# Altium PCB WX0.000.863拼板.PcbDoc (part 11 of 15) (continued)
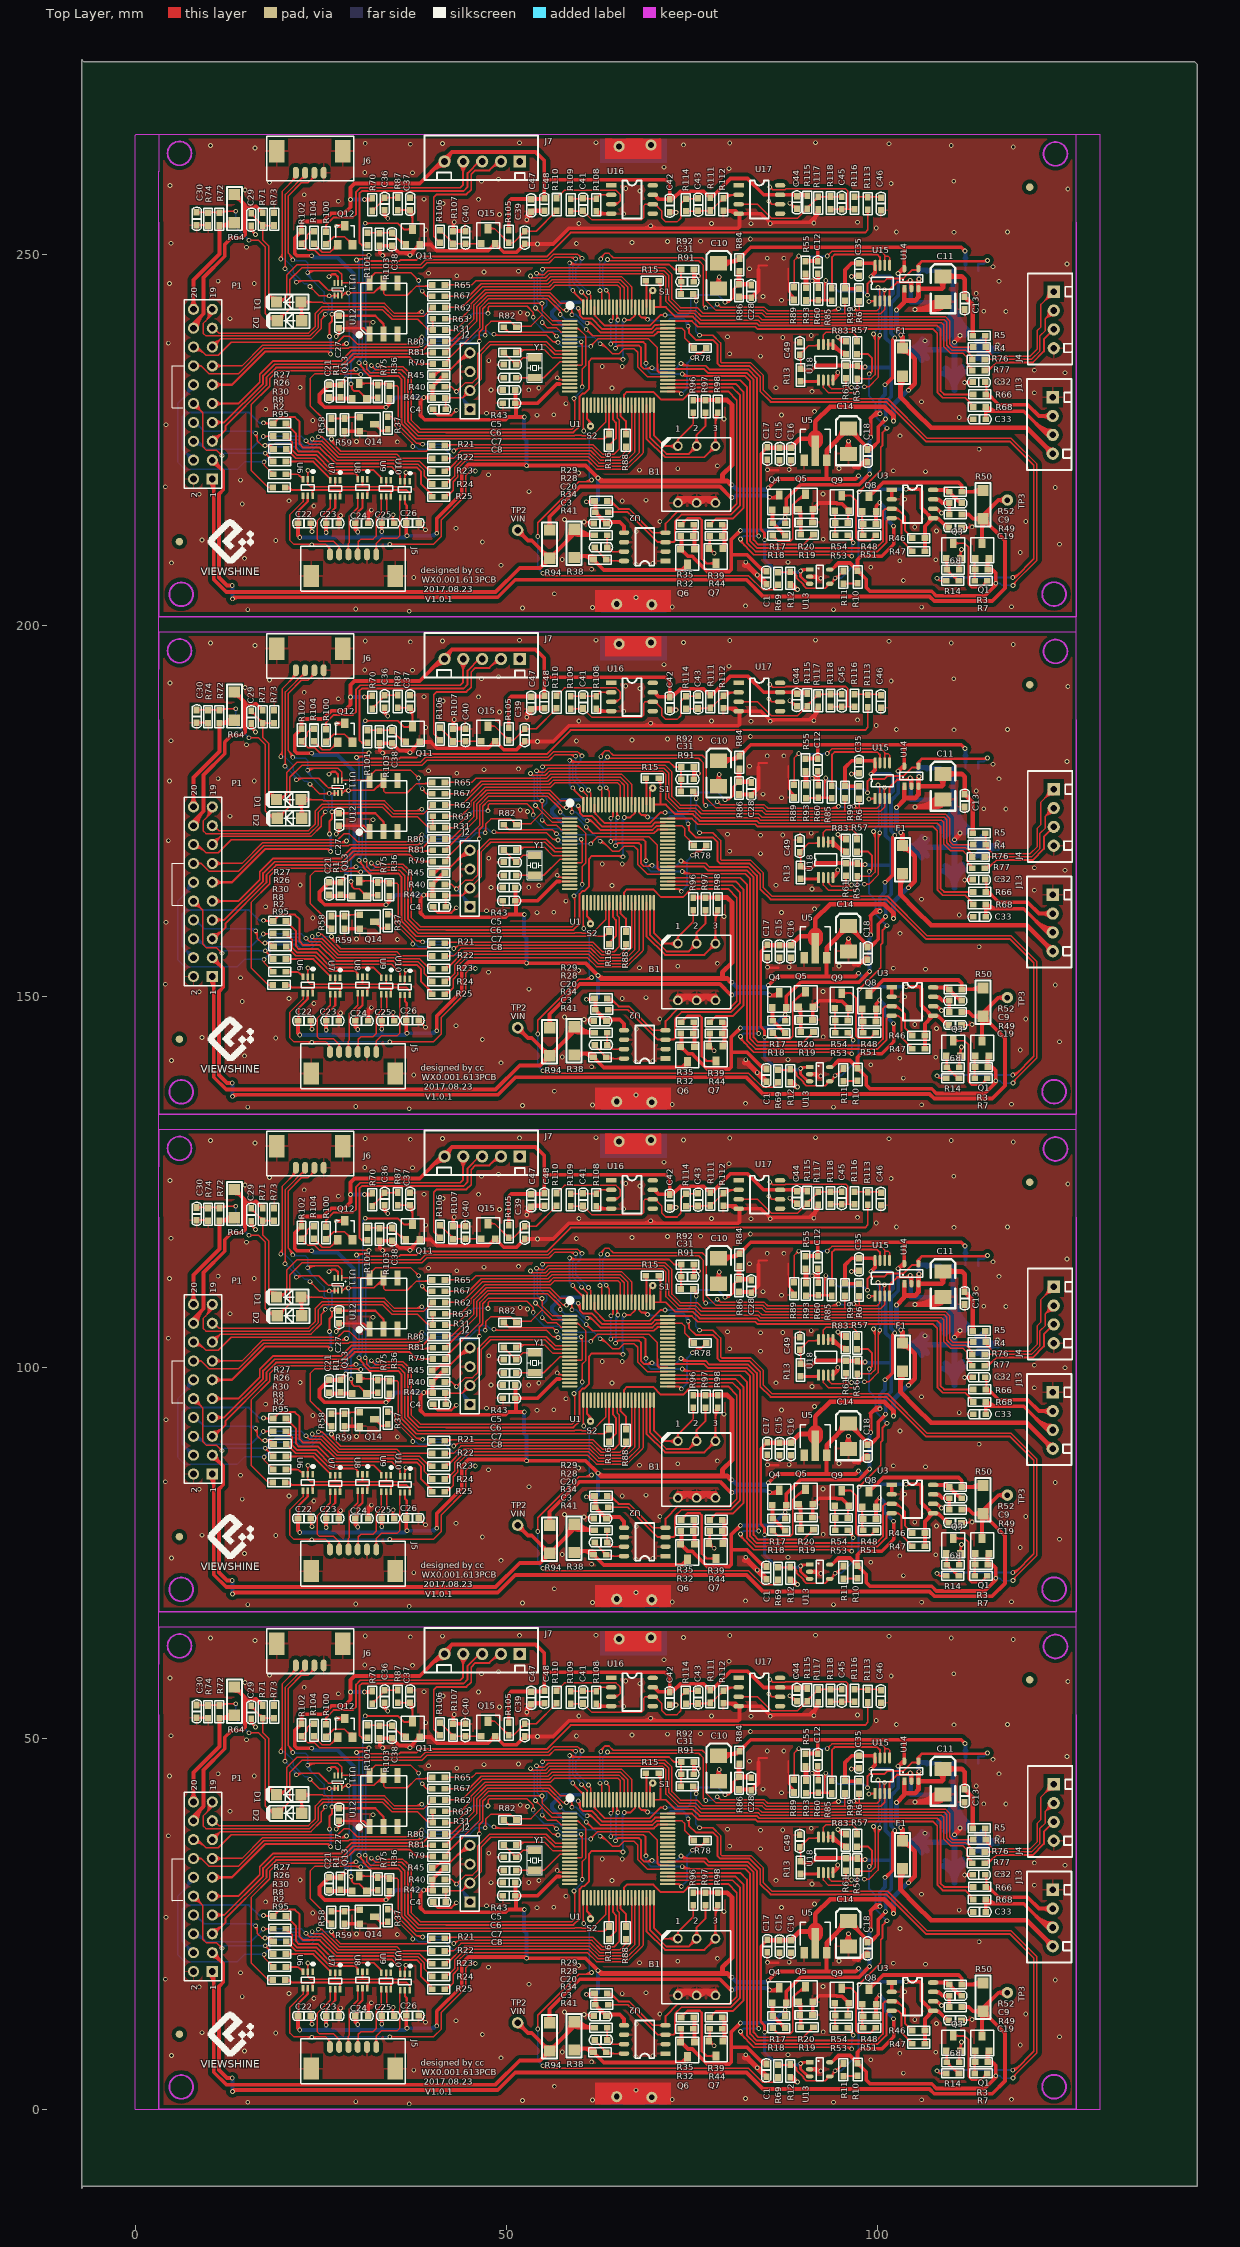
[diagram p0: Top Layer view]
## Nets (pads, with @x,y where several pads share a name; then routed paths per layer and width w, separated by ;. In a path a pad name is that pad's centre, name@x,y a point inside that pad or via, vN(x,y) a via of type N, cw(c..) or ccw(c..) an arc to the next point about the centre after c; other vN are vias at no path point) (continued)
52.907,144.374 53.416,144.374 55.829,141.961 ; 51.522,212.307 cw(c51.522,211.08) 52.389,211.948 cw(c53.257,212.815) 52.03,212.815 ; 51.522,212.815 52.907,211.43 53.416,211.43 55.829,209.017 ; 52.151,49.903 cw(c52.476,49.578) 52.476,50.038 ; 52.151,116.959 cw(c52.476,116.634) 52.476,117.094 ; 52.151,184.015 cw(c52.476,183.69) 52.476,184.15 ; 52.151,251.071 cw(c52.476,250.746) 52.476,251.206 ; 52.197,20.503 cw(c52.197,19.812) v1@52.685,20.3 ; 52.197,87.559 cw(c52.197,86.868) v1@52.685,87.356 ; 52.197,154.615 cw(c52.197,153.924) v1@52.685,154.412 ; 52.197,221.671 cw(c52.197,220.98) v1@52.685,221.468 ; v1@52.349,26.899 51.283,26.899 ; v1@52.349,93.955 51.283,93.955 ; v1@52.349,161.011 51.283,161.011 ; v1@52.349,228.067 51.283,228.067 ; v1(52.73,20.345) 60.681,20.345 v1(62.357,18.669) ; v1(52.73,87.401) 60.681,87.401 v1(62.357,85.725) ; v1(52.73,154.457) 60.681,154.457 v1(62.357,152.781) ; v1(52.73,221.513) 60.681,221.513 v1(62.357,219.837) ; 54.597,56.273 ccw(c54.597,56.871) 55.019,56.448 ; 54.597,123.329 ccw(c54.597,123.927) 55.019,123.504 ; 54.597,190.385 ccw(c54.597,190.983) 55.019,190.56 ; 54.597,257.441 ccw(c54.597,258.039) 55.019,257.616 ; 55.47,12.018 ccw(c54.603,12.885) 55.829,12.885 ccw(c57.056,12.885) 56.188,12.018 ; 55.47,79.074 ccw(c54.603,79.941) 55.829,79.941 ccw(c57.056,79.941) 56.188,79.074 ; 55.47,146.13 ccw(c54.603,146.997) 55.829,146.997 ccw(c57.056,146.997) 56.188,146.13 ; 55.47,213.186 ccw(c54.603,214.053) 55.829,214.053 ccw(c57.056,214.053) 56.188,213.186 ; 55.829,7.341 ccw(c55.829,6.114) 54.962,6.981 ccw(c54.095,7.849) 55.321,7.849 ccw(c54.095,7.849) 54.962,8.716 ccw(c55.829,9.583) 55.829,8.357 ccw(c55.829,9.583) 56.696,8.716 ccw(c57.564,7.849) 56.337,7.849 ; 55.829,11.659 55.829,13.462 59.886,17.518 78.773,17.518 80.239,16.053 v1(80.391,16.053) ; 55.829,74.397 ccw(c55.829,73.17) 54.962,74.037 ccw(c54.095,74.905) 55.321,74.905 ccw(c54.095,74.905) 54.962,75.772 ccw(c55.829,76.639) 55.829,75.413 ccw(c55.829,76.639) 56.696,75.772 ccw(c57.564,74.905) 56.337,74.905 ; 55.829,78.715 55.829,80.518 59.886,84.574 78.773,84.574 80.239,83.109 v1(80.391,83.109) ; 55.829,141.453 ccw(c55.829,140.226) 54.962,141.093 ccw(c54.095,141.961) 55.321,141.961 ccw(c54.095,141.961) 54.962,142.828 ccw(c55.829,143.695) 55.829,142.469 ccw(c55.829,143.695) 56.696,142.828 ccw(c57.564,141.961) 56.337,141.961 ; 55.829,145.771 55.829,147.574 59.886,151.63 78.773,151.63 80.239,150.165 v1(80.391,150.165) ; 55.829,208.509 ccw(c55.829,207.282) 54.962,208.149 ccw(c54.095,209.017) 55.321,209.017 ccw(c54.095,209.017) 54.962,209.884 ccw(c55.829,210.751) 55.829,209.525 ccw(c55.829,210.751) 56.696,209.884 ccw(c57.564,209.017) 56.337,209.017 ; 55.829,212.827 55.829,214.63 59.886,218.686 78.773,218.686 80.239,217.221 v1(80.391,217.221) ; 57.191,31.353 56.794,31.353 54.194,28.753 51.218,28.753 ; 57.191,98.409 56.794,98.409 54.194,95.809 51.218,95.809 ; 57.191,165.465 56.794,165.465 54.194,162.865 51.218,162.865 ; 57.191,232.521 56.794,232.521 54.194,229.921 51.218,229.921 ; 57.815,9.834 ccw(c55.864,11.786) 58.623,11.786 ; 57.815,76.89 ccw(c55.864,78.842) 58.623,78.842 ; 57.815,143.946 ccw(c55.864,145.898) 58.623,145.898 ; 57.815,211.002 ccw(c55.864,212.954) 58.623,212.954 ; 58.682,10.702 ccw(c57.598,11.786) 59.131,11.786 ; 58.682,77.758 ccw(c57.598,78.842) 59.131,78.842 ; 58.682,144.814 ccw(c57.598,145.898) 59.131,145.898 ; 58.682,211.87 ccw(c57.598,212.954) 59.131,212.954 ; 58.734,11.469 ccw(c59.764,12.29) 59.764,10.973 ; 58.734,78.525 ccw(c59.764,79.346) 59.764,78.029 ; 58.734,145.581 ccw(c59.764,146.402) 59.764,145.085 ; 58.734,212.637 ccw(c59.764,213.458) 59.764,212.141 ; 59.004,8.184 61.234,8.184 61.747,7.671 63.126,6.292 73.677,6.292 74.422,7.036 ; 59.004,75.24 61.234,75.24 61.747,74.727 63.126,73.348 73.677,73.348 74.422,74.092 ; 59.004,142.296 61.234,142.296 61.747,141.783 63.126,140.404 73.677,140.404 74.422,141.148 ; 59.004,209.352 61.234,209.352 61.747,208.839 63.126,207.46 73.677,207.46 74.422,208.204 ; 59.155,11.278 cw(c59.204,10.233) 59.944,10.973 ; 59.155,78.334 cw(c59.204,77.289) 59.944,78.029 ; 59.155,145.39 cw(c59.204,144.345) 59.944,145.085 ; 59.155,212.446 cw(c59.204,211.401) 59.944,212.141 ; 59.49,7.616 cw(c60.86,6.247) 60.86,8.184 ; 59.49,74.672 cw(c60.86,73.303) 60.86,75.24 ; 59.49,141.728 cw(c60.86,140.359) 60.86,142.296 ; 59.49,208.784 cw(c60.86,207.415) 60.86,209.352 ; 59.528,12.102 ccw(c61.874,13.973) 61.874,10.973 59.944,10.973 ; 59.528,79.158 ccw(c61.874,81.029) 61.874,78.029 59.944,78.029 ; 59.528,146.214 ccw(c61.874,148.085) 61.874,145.085 59.944,145.085 ; 59.528,213.27 ccw(c61.874,215.141) 61.874,212.141 59.944,212.141 ; 59.639,11.762 ccw(c60.684,11.713) 59.944,10.973 ; 59.639,78.818 ccw(c60.684,78.769) 59.944,78.029 ; 59.639,145.874 ccw(c60.684,145.825) 59.944,145.085 ; 59.639,212.93 ccw(c60.684,212.881) 59.944,212.141 ; 60.121,8.184 cw(c60.121,6.095) 61.597,7.572 ; 60.121,75.24 cw(c60.121,73.151) 61.597,74.628 ; 60.121,142.296 cw(c60.121,140.207) 61.597,141.684 ; 60.121,209.352 cw(c60.121,207.263) 61.597,208.74 ; v1(60.782,15.469) 61.874,15.469 ; v1(60.782,82.525) 61.874,82.525 ; v1(60.782,149.581) 61.874,149.581 ; v1(60.782,216.637) 61.874,216.637 ; 60.819,10.973 cw(c60.819,13.132) 59.131,11.786 ; 60.819,78.029 cw(c60.819,80.188) 59.131,78.842 ; 60.819,145.085 cw(c60.819,147.244) 59.131,145.898 ; 60.819,212.141 cw(c60.819,214.3) 59.131,212.954 ; 61.18,15.469 ccw(c61.18,16.239) 61.725,15.694 ; 61.18,82.525 ccw(c61.18,83.295) 61.725,82.75 ; 61.18,149.581 ccw(c61.18,150.351) 61.725,149.806 ; 61.18,216.637 ccw(c61.18,217.407) 61.725,216.862 ; 61.347,8.184 cw(c61.347,7.322) 61.957,7.931 ; 61.347,75.24 cw(c61.347,74.378) 61.957,74.987 ; 61.347,142.296 cw(c61.347,141.434) 61.957,142.043 ; 61.347,209.352 cw(c61.347,208.49) 61.957,209.099 ; 61.422,7.996 cw(c61.097,7.671) 61.557,7.671 ; 61.422,75.052 cw(c61.097,74.727) 61.557,74.727 ; 61.422,142.108 cw(c61.097,141.783) 61.557,141.783 ; 61.422,209.164 cw(c61.097,208.839) 61.557,208.839 ; 61.826,15.497 cw(c61.404,15.074) 62.001,15.074 ; 61.826,82.553 cw(c61.404,82.13) 62.001,82.13 ; 61.826,149.609 cw(c61.404,149.186) 62.001,149.186 ; 61.826,216.665 cw(c61.404,216.242) 62.001,216.242 ; 61.874,15.596 62.001,15.469 62.001,14.072 62.001,14.034 63.488,12.548 ; 61.874,82.652 62.001,82.525 62.001,81.128 62.001,81.09 63.488,79.604 ; 61.874,149.708 62.001,149.581 62.001,148.184 62.001,148.146 63.488,146.66 ; 61.874,216.764 62.001,216.637 62.001,215.24 62.001,215.202 63.488,213.716 ; 61.938,7.671 ccw(c62.397,7.671) 62.072,7.346 ; 61.938,74.727 ccw(c62.397,74.727) 62.072,74.402 ; 61.938,141.783 ccw(c62.397,141.783) 62.072,141.458 ; 61.938,208.839 ccw(c62.397,208.839) 62.072,208.514 ; 62.103,54.635 62.433,54.305 64.135,54.305 ; 62.103,121.691 62.433,121.361 64.135,121.361 ; 62.103,188.747 62.433,188.417 64.135,188.417 ; 62.103,255.803 62.433,255.473 64.135,255.473 ; 62.192,14.072 ccw(c62.743,14.072) 62.353,13.682 ; 62.192,81.128 ccw(c62.743,81.128) 62.353,80.738 ; 62.192,148.184 ccw(c62.743,148.184) 62.353,147.794 ; 62.192,215.24 ccw(c62.743,215.24) 62.353,214.85 ; 62.202,54.683 ccw(c63.115,55.596) 63.115,54.305 ; 62.202,121.739 ccw(c63.115,122.652) 63.115,121.361 ; 62.202,188.795 ccw(c63.115,189.708) 63.115,188.417 ; 62.202,255.851 ccw(c63.115,256.764) 63.115,255.473 ; 63.162,12.873 cw(c62.837,12.548) 63.297,12.548 ; 63.162,79.929 cw(c62.837,79.604) 63.297,79.604 ; 63.162,146.985 cw(c62.837,146.66) 63.297,146.66 ; 63.162,214.041 cw(c62.837,213.716) 63.297,213.716 ; 63.614,12.751 65.278,12.751 65.862,12.167 65.862,11.303 ; 63.614,79.807 65.278,79.807 65.862,79.223 65.862,78.359 ; 63.614,146.863 65.278,146.863 65.862,146.279 65.862,145.415 ; 63.614,213.919 65.278,213.919 65.862,213.335 65.862,212.471 ; 63.637,12.449 cw(c64.366,11.72) 64.366,12.751 ; 63.637,79.505 cw(c64.366,78.776) 64.366,79.807 ; 63.637,146.561 cw(c64.366,145.832) 64.366,146.863 ; 63.637,213.617 cw(c64.366,212.888) 64.366,213.919 ; 68.469,52.339 ccw(c68.469,53.655) v1@69.399,52.725 ; 68.469,119.395 ccw(c68.469,120.711) v1@69.399,119.781 ; 68.469,186.451 ccw(c68.469,187.767) v1@69.399,186.837 ; 68.469,253.507 ccw(c68.469,254.823) v1@69.399,253.893 ; 69.129,52.365 ccw(c69.192,52.428) 69.192,52.339 ; 69.129,119.421 ccw(c69.192,119.484) 69.192,119.395 ; 69.129,186.477 ccw(c69.192,186.54) 69.192,186.451 ; 69.129,253.533 ccw(c69.192,253.596) 69.192,253.507 ; v1@69.489,52.725 ccw(c70.419,53.655) 70.419,52.339 ; v1@69.489,119.781 ccw(c70.419,120.711) 70.419,119.395 ; v1@69.489,186.837 ccw(c70.419,187.767) 70.419,186.451 ; v1@69.489,253.893 ccw(c70.419,254.823) 70.419,253.507 ; 69.695,52.339 ccw(c69.695,52.428) 69.758,52.365 ; 69.695,119.395 ccw(c69.695,119.484) 69.758,119.421 ; 69.695,186.451 ccw(c69.695,186.54) 69.758,186.477 ; 69.695,253.507 ccw(c69.695,253.596) 69.758,253.533 ; 69.919,56.845 70.503,56.261 71.971,56.261 72.365,56.261 73.431,57.328 76.581,57.328 77.47,56.439 77.622,56.439 80.213,59.03 82.499,59.03 84.684,56.845 90.145,56.845 ; 69.919,123.901 70.503,123.317 71.971,123.317 72.365,123.317 73.431,124.384 76.581,124.384 77.47,123.495 77.622,123.495 80.213,126.086 82.499,126.086 84.684,123.901 90.145,123.901 ; 69.919,190.957 70.503,190.373 71.971,190.373 72.365,190.373 73.431,191.44 76.581,191.44 77.47,190.551 77.622,190.551 80.213,193.142 82.499,193.142 84.684,190.957 90.145,190.957 ; 69.919,258.013 70.503,257.429 71.971,257.429 72.365,257.429 73.431,258.496 76.581,258.496 77.47,257.607 77.622,257.607 80.213,260.198 82.499,260.198 84.684,258.013 90.145,258.013 ; 70.169,56.845 ccw(c70.773,56.845) 70.346,56.418 ; 70.169,123.901 ccw(c70.773,123.901) 70.346,123.474 ; 70.169,190.957 ccw(c70.773,190.957) 70.346,190.53 ; 70.169,258.013 ccw(c70.773,258.013) 70.346,257.586 ; 72.009,54.521 72.933,54.521 72.946,54.534 72.946,54.531 v1(72.873,54.458) ; 72.009,56.223 72.009,58.293 71.43,58.872 55.118,58.872 ; 72.009,56.413 ccw(c72.009,57.639) 72.876,56.772 ; 72.009,121.577 72.933,121.577 72.946,121.59 72.946,121.587 v1(72.873,121.514) ; 72.009,123.279 72.009,125.349 71.43,125.928 55.118,125.928 ; 72.009,123.469 ccw(c72.009,124.695) 72.876,123.828 ; 72.009,188.633 72.933,188.633 72.946,188.646 72.946,188.643 v1(72.873,188.57) ; 72.009,190.335 72.009,192.405 71.43,192.984 55.118,192.984 ; 72.009,190.525 ccw(c72.009,191.751) 72.876,190.884 ; 72.009,255.689 72.933,255.689 72.946,255.702 72.946,255.699 v1(72.873,255.626) ; 72.009,257.391 72.009,259.461 71.43,260.04 55.118,260.04 ; 72.009,257.581 ccw(c72.009,258.807) 72.876,257.94 ; 73.313,9.211 ccw(c72.598,9.926) 73.609,9.926 ; 73.313,76.267 ccw(c72.598,76.982) 73.609,76.982 ; 73.313,143.323 ccw(c72.598,144.038) 73.609,144.038 ; 73.313,210.379 ccw(c72.598,211.094) 73.609,211.094 ; 73.434,10.747 cw(c73.011,10.325) 73.609,10.325 ; 73.434,77.803 cw(c73.011,77.381) 73.609,77.381 ; 73.434,144.859 cw(c73.011,144.437) 73.609,144.437 ; 73.434,211.915 cw(c73.011,211.493) 73.609,211.493 ; 73.456,8.865 cw(c73.456,8.166) 73.951,8.66 ; 73.456,75.921 cw(c73.456,75.222) 73.951,75.716 ; 73.456,142.977 cw(c73.456,142.278) 73.951,142.772 ; 73.456,210.033 cw(c73.456,209.334) 73.951,209.828 ; 73.533,8.89 73.583,8.941 73.609,8.966 73.609,10.668 ; 73.533,75.946 73.583,75.997 73.609,76.022 73.609,77.724 ; 73.533,143.002 73.583,143.053 73.609,143.078 73.609,144.78 ; 73.533,210.058 73.583,210.109 73.609,210.134 73.609,211.836 ; 73.543,9.068 74.488,8.123 75.066,8.123 75.331,7.858 75.331,7.828 77.084,6.076 77.597,6.076 ; 73.543,76.124 74.488,75.179 75.066,75.179 75.331,74.914 75.331,74.884 77.084,73.132 77.597,73.132 ; 73.543,143.18 74.488,142.235 75.066,142.235 75.331,141.97 75.331,141.94 77.084,140.188 77.597,140.188 ; 73.543,210.236 74.488,209.291 75.066,209.291 75.331,209.026 75.331,208.996 77.084,207.244 77.597,207.244 ; 73.583,8.89 73.67,8.89 ; 73.583,75.946 73.67,75.946 ; 73.583,143.002 73.67,143.002 ; 73.583,210.058 73.67,210.058 ; 73.771,6.385 cw(c74.422,5.735) 74.422,6.655 ; 73.771,73.441 cw(c74.422,72.791) 74.422,73.711 ; 73.771,140.497 cw(c74.422,139.847) 74.422,140.767 ; 73.771,207.553 cw(c74.422,206.903) 74.422,207.823 ; 75.136,10.747 cw(c74.591,10.202) 75.361,10.202 ; 75.136,10.945 ccw(c74.591,11.49) 75.361,11.49 ; 75.136,77.803 cw(c74.591,77.258) 75.361,77.258 ; 75.136,78.001 ccw(c74.591,78.546) 75.361,78.546 ; 75.136,144.859 cw(c74.591,144.314) 75.361,144.314 ; 75.136,145.057 ccw(c74.591,145.602) 75.361,145.602 ; 75.136,211.915 cw(c74.591,211.37) 75.361,211.37 ; 75.136,212.113 ccw(c74.591,212.658) 75.361,212.658 ; 75.184,29.185 76.835,29.185 78.486,29.185 ; 75.184,96.241 76.835,96.241 78.486,96.241 ; 75.184,163.297 76.835,163.297 78.486,163.297 ; 75.184,230.353 76.835,230.353 78.486,230.353 ; 75.186,12.271 cw(c74.764,11.849) 75.361,11.849 ; 75.186,79.327 cw(c74.764,78.905) 75.361,78.905 ; 75.186,146.383 cw(c74.764,145.961) 75.361,145.961 ; 75.186,213.439 cw(c74.764,213.017) 75.361,213.017 ; 75.218,9.211 ccw(c74.871,9.558) 75.361,9.558 ccw(c75.852,9.558) 75.505,9.211 ; 75.218,76.267 ccw(c74.871,76.614) 75.361,76.614 ccw(c75.852,76.614) 75.505,76.267 ; 75.218,143.323 ccw(c74.871,143.67) 75.361,143.67 ccw(c75.852,143.67) 75.505,143.323 ; 75.218,210.379 ccw(c74.871,210.726) 75.361,210.726 ccw(c75.852,210.726) 75.505,210.379 ; 75.234,12.37 75.361,12.243 75.361,9.068 ; 75.234,79.426 75.361,79.299 75.361,76.124 ; 75.234,146.482 75.361,146.355 75.361,143.18 ; 75.234,213.538 75.361,213.411 75.361,210.236 ; 75.247,45.136 75.247,45.872 ; 75.247,112.192 75.247,112.928 ; 75.247,179.248 75.247,179.984 ; 75.247,246.304 75.247,247.04 ; 75.286,46.787 75.247,46.748 75.247,45.872 ; 75.286,113.843 75.247,113.804 75.247,112.928 ; 75.286,180.899 75.247,180.86 75.247,179.984 ; 75.286,247.955 75.247,247.916 75.247,247.04 ; v1(75.87,45.923) 75.946,45.923 75.895,45.872 75.247,45.872 ; v1(75.87,112.979) 75.946,112.979 75.895,112.928 75.247,112.928 ; v1(75.87,180.035) 75.946,180.035 75.895,179.984 75.247,179.984 ; v1(75.87,247.091) 75.946,247.091 75.895,247.04 75.247,247.04 ; 77.145,56.764 ccw(c77.47,57.089) 77.47,56.629 ccw(c77.47,57.457) 78.055,56.872 ; 77.145,123.82 ccw(c77.47,124.145) 77.47,123.685 ccw(c77.47,124.513) 78.055,123.928 ; 77.145,190.876 ccw(c77.47,191.201) 77.47,190.741 ccw(c77.47,191.569) 78.055,190.984 ; 77.145,257.932 ccw(c77.47,258.257) 77.47,257.797 ccw(c77.47,258.625) 78.055,258.04 ; 78.054,47.727 78.214,47.887 81.034,47.887 ; 78.054,114.783 78.214,114.943 81.034,114.943 ; 78.054,181.839 78.214,181.999 81.034,181.999 ; 78.054,248.895 78.214,249.055 81.034,249.055 ; 78.164,44.731 ccw(c77.355,45.695) v1@78.613,45.695 ; 78.164,111.787 ccw(c77.355,112.751) v1@78.613,112.751 ; 78.164,178.843 ccw(c77.355,179.807) v1@78.613,179.807 ; 78.164,245.899 ccw(c77.355,246.863) v1@78.613,246.863 ; 78.613,44.196 v1@78.613,45.695 ; 78.613,45.434 cw(c79.026,45.434) v1@78.734,45.726 ; 78.613,111.252 v1@78.613,112.751 ; 78.613,112.49 cw(c79.026,112.49) v1@78.734,112.782 ; 78.613,178.308 v1@78.613,179.807 ; 78.613,179.546 cw(c79.026,179.546) v1@78.734,179.838 ; 78.613,245.364 v1@78.613,246.863 ; 78.613,246.602 cw(c79.026,246.602) v1@78.734,246.894 ; v1(78.689,45.771) v1@78.613,45.695 ; v1(78.689,112.827) v1@78.613,112.751 ; v1(78.689,179.883) v1@78.613,179.807 ; v1(78.689,246.939) v1@78.613,246.863 ; 78.891,6.076 77.597,6.076 ; 78.891,73.132 77.597,73.132 ; 78.891,140.188 77.597,140.188 ; 78.891,207.244 77.597,207.244 ; 78.942,47.494 cw(c79.854,46.632) 79.854,47.887 ; 78.942,114.55 cw(c79.854,113.688) 79.854,114.943 ; 78.942,181.606 cw(c79.854,180.744) 79.854,181.999 ; 78.942,248.662 cw(c79.854,247.8) 79.854,249.055 ; 79.042,9.338 ccw(c78.105,10.276) 79.43,10.276 ; 79.042,76.394 ccw(c78.105,77.332) 79.43,77.332 ; 79.042,143.45 ccw(c78.105,144.388) 79.43,144.388 ; 79.042,210.506 ccw(c78.105,211.444) 79.43,211.444 ; 79.062,44.731 cw(c79.871,45.695) v1@78.613,45.695 ; 79.062,111.787 cw(c79.871,112.751) v1@78.613,112.751 ; 79.062,178.843 cw(c79.871,179.807) v1@78.613,179.807 ; 79.062,245.899 cw(c79.871,246.863) v1@78.613,246.863 ; 79.073,10.747 cw(c78.209,9.883) 79.43,9.883 ; 79.073,10.945 ccw(c78.209,11.809) 79.43,11.809 ; 79.073,12.271 cw(c78.209,11.407) 79.43,11.407 ; 79.073,77.803 cw(c78.209,76.939) 79.43,76.939 ; 79.073,78.001 ccw(c78.209,78.865) 79.43,78.865 ; 79.073,79.327 cw(c78.209,78.463) 79.43,78.463 ; 79.073,144.859 cw(c78.209,143.995) 79.43,143.995 ; 79.073,145.057 ccw(c78.209,145.921) 79.43,145.921 ; 79.073,146.383 cw(c78.209,145.519) 79.43,145.519 ; 79.073,211.915 cw(c78.209,211.051) 79.43,211.051 ; 79.073,212.113 ccw(c78.209,212.977) 79.43,212.977 ; 79.073,213.439 cw(c78.209,212.575) 79.43,212.575 ; 79.248,54.686 80.924,54.686 81.305,54.305 ; 79.248,121.742 80.924,121.742 81.305,121.361 ; 79.248,188.798 80.924,188.798 81.305,188.417 ; 79.248,255.854 80.924,255.854 81.305,255.473 ; 79.297,48.119 ccw(c79.858,48.68) 79.858,47.887 ; 79.297,115.175 ccw(c79.858,115.736) 79.858,114.943 ; 79.297,182.231 ccw(c79.858,182.792) 79.858,181.999 ; 79.297,249.287 ccw(c79.858,249.848) 79.858,249.055 ; 79.311,47.145 cw(c81.034,45.515) 81.034,47.887 ; 79.311,114.201 cw(c81.034,112.571) 81.034,114.943 ; 79.311,181.257 cw(c81.034,179.627) 81.034,181.999 ; 79.311,248.313 cw(c81.034,246.683) 81.034,249.055 ; 79.354,12.294 79.43,12.37 ; 79.354,79.35 79.43,79.426 ; 79.354,146.406 79.43,146.482 ; 79.354,213.462 79.43,213.538 ; 79.43,9.195 79.43,12.294 ; 79.43,76.251 79.43,79.35 ; 79.43,143.307 79.43,146.406 ; 79.43,210.363 79.43,213.462 ; 79.868,54.686 cw(c79.868,53.263) 80.874,54.269 ; 79.868,121.742 cw(c79.868,120.319) 80.874,121.325 ; 79.868,188.798 cw(c79.868,187.375) 80.874,188.381 ; 79.868,255.854 cw(c79.868,254.431) 80.874,255.437 ; 80.022,16.269 ccw(c80.391,16.638) v1@80.391,16.116 ; 80.022,83.325 ccw(c80.391,83.694) v1@80.391,83.172 ; 80.022,150.381 ccw(c80.391,150.75) v1@80.391,150.228 ; 80.022,217.437 ccw(c80.391,217.806) v1@80.391,217.284 ; 80.291,47.887 ccw(c80.291,49.325) 81.308,48.308 ; 80.291,114.943 ccw(c80.291,116.381) 81.308,115.364 ; 80.291,181.999 ccw(c80.291,183.437) 81.308,182.42 ; 80.291,249.055 ccw(c80.291,250.493) 81.308,249.476 ; 81.269,54.269 cw(c80.937,53.937) 81.407,53.937 ; 81.269,121.325 cw(c80.937,120.993) 81.407,120.993 ; 81.269,188.381 cw(c80.937,188.049) 81.407,188.049 ; 81.269,255.437 cw(c80.937,255.105) 81.407,255.105 ; 81.313,54.298 cw(c81.22,54.205) 81.345,54.164 ; 81.313,121.354 cw(c81.22,121.261) 81.345,121.22 ; 81.313,188.41 cw(c81.22,188.317) 81.345,188.276 ; 81.313,255.466 cw(c81.22,255.373) 81.345,255.332 ; 81.356,43.078 83.095,43.078 83.984,43.967 83.984,46.761 ; 81.356,110.134 83.095,110.134 83.984,111.023 83.984,113.817 ; 81.356,177.19 83.095,177.19 83.984,178.079 83.984,180.873 ; 81.356,244.246 83.095,244.246 83.984,245.135 83.984,247.929 ; 81.407,48.45 ccw(c81.407,48.91) 81.732,48.585 ; 81.407,48.529 81.407,48.26 ; 81.407,115.506 ccw(c81.407,115.966) 81.732,115.641 ; 81.407,115.585 81.407,115.316 ; 81.407,182.562 ccw(c81.407,183.022) 81.732,182.697 ; 81.407,182.641 81.407,182.372 ; 81.407,249.618 ccw(c81.407,250.078) 81.732,249.753 ; 81.407,249.697 81.407,249.428 ; 81.483,48.184 81.407,48.26 ; 81.483,115.24 81.407,115.316 ; 81.483,182.296 81.407,182.372 ; 81.483,249.352 81.407,249.428 ; v1(81.534,11.608) 80.314,10.388 80.314,8.331 ; v1(81.534,78.664) 80.314,77.444 80.314,75.387 ; v1(81.534,145.72) 80.314,144.5 80.314,142.443 ; v1(81.534,212.776) 80.314,211.556 80.314,209.499 ; 82.578,43.078 cw(c82.578,42.612) 82.908,42.942 ; 82.578,110.134 cw(c82.578,109.668) 82.908,109.998 ; 82.578,177.19 cw(c82.578,176.724) 82.908,177.054 ; 82.578,244.246 cw(c82.578,243.78) 82.908,244.11 ; 83.007,43.18 ccw(c83.007,43.64) 83.332,43.315 ; 83.007,110.236 ccw(c83.007,110.696) 83.332,110.371 ; 83.007,177.292 ccw(c83.007,177.752) 83.332,177.427 ; 83.007,244.348 ccw(c83.007,244.808) 83.332,244.483 ; 84.129,6.651 ccw(c85.039,7.561) 85.039,6.274 ; 84.129,73.707 ccw(c85.039,74.617) 85.039,73.33 ; 84.129,140.763 ccw(c85.039,141.673) 85.039,140.386 ; 84.129,207.819 ccw(c85.039,208.729) 85.039,207.442 ; 84.697,6.083 82.448,8.331 80.314,8.331 ; 84.697,73.139 82.448,75.387 80.314,75.387 ; 84.697,140.195 82.448,142.443 80.314,142.443 ; 84.697,207.251 82.448,209.499 80.314,209.499 ; 85.039,6.045 85.039,6.083 ; 85.039,73.101 85.039,73.139 ; 85.039,140.157 85.039,140.195 ; 85.039,207.213 85.039,207.251 ; v1(85.293,17.323) 86.519,18.549 93.142,18.549 ; v1(85.293,84.379) 86.519,85.605 93.142,85.605 ; v1(85.293,151.435) 86.519,152.661 93.142,152.661 ; v1(85.293,218.491) 86.519,219.717 93.142,219.717 ; 85.389,53.248 cw(c85.1,52.959) v1@85.509,52.959 ; 85.389,120.304 cw(c85.1,120.015) v1@85.509,120.015 ; 85.389,187.36 cw(c85.1,187.071) v1@85.509,187.071 ; 85.389,254.416 cw(c85.1,254.127) v1@85.509,254.127 ; v1(85.446,16.078) 85.446,16.002 86.385,16.002 86.766,16.383 ; v1(85.446,83.134) 85.446,83.058 86.385,83.058 86.766,83.439 ; v1(85.446,150.19) 85.446,150.114 86.385,150.114 86.766,150.495 ; v1(85.446,217.246) 85.446,217.17 86.385,217.17 86.766,217.551 ; v1@85.491,16.123 ccw(c85.783,16.415) 85.783,16.002 ; v1@85.491,83.179 ccw(c85.783,83.471) 85.783,83.058 ; v1@85.491,150.235 ccw(c85.783,150.527) 85.783,150.114 ; v1@85.491,217.291 ccw(c85.783,217.583) 85.783,217.17 ; v1@85.618,52.914 cw(c86.167,52.364) 86.167,53.142 ; v1@85.618,119.97 cw(c86.167,119.42) 86.167,120.198 ; v1@85.618,187.026 cw(c86.167,186.476) 86.167,187.254 ; v1@85.618,254.082 cw(c86.167,253.532) 86.167,254.31 ; 85.683,14.207 cw(c85.213,13.738) 85.877,13.738 ; 85.683,81.263 cw(c85.213,80.794) 85.877,80.794 ; 85.683,148.319 cw(c85.213,147.85) 85.877,147.85 ; 85.683,215.375 cw(c85.213,214.906) 85.877,214.906 ; 85.785,16.002 ccw(c85.785,17.186) 86.622,16.349 ; 85.785,83.058 ccw(c85.785,84.242) 86.622,83.405 ; 85.785,150.114 ccw(c85.785,151.298) 86.622,150.461 ; 85.785,217.17 ccw(c85.785,218.354) 86.622,217.517 ; 85.826,14.351 85.877,14.3 85.877,12.573 85.928,12.573 87.579,10.922 ; 85.826,81.407 85.877,81.356 85.877,79.629 85.928,79.629 87.579,77.978 ; 85.826,148.463 85.877,148.412 85.877,146.685 85.928,146.685 87.579,145.034 ; 85.826,215.519 85.877,215.468 85.877,213.741 85.928,213.741 87.579,212.09 ; 87.254,11.247 cw(c86.928,10.922) 87.388,10.922 ; 87.254,78.303 cw(c86.928,77.978) 87.388,77.978 ; 87.254,145.359 cw(c86.928,145.034) 87.388,145.034 ; 87.254,212.415 cw(c86.928,212.09) 87.388,212.09 ; 87.579,12.573 v1(87.579,13.386) 87.579,14.199 ; v1@87.579,13.493 cw(c88.59,13.493) 87.875,14.207 ; 87.579,79.629 v1(87.579,80.442) 87.579,81.255 ; v1@87.579,80.549 cw(c88.59,80.549) 87.875,81.263 ; 87.579,146.685 v1(87.579,147.498) 87.579,148.311 ; v1@87.579,147.605 cw(c88.59,147.605) 87.875,148.319 ; 87.579,213.741 v1(87.579,214.554) 87.579,215.367 ; v1@87.579,214.661 cw(c88.59,214.661) 87.875,215.375 ; 87.588,14.495 ccw(c87.241,14.842) 87.731,14.842 ccw(c88.222,14.842) 87.875,14.495 ; 87.588,81.551 ccw(c87.241,81.898) 87.731,81.898 ccw(c88.222,81.898) 87.875,81.551 ; 87.588,148.607 ccw(c87.241,148.954) 87.731,148.954 ccw(c88.222,148.954) 87.875,148.607 ; 87.588,215.663 ccw(c87.241,216.01) 87.731,216.01 ccw(c88.222,216.01) 87.875,215.663 ; 87.731,14.351 87.731,15.874 89.636,17.779 97.51,17.779 v1(98.958,19.228) ; 87.731,81.407 87.731,82.93 89.636,84.835 97.51,84.835 v1(98.958,86.284) ; 87.731,148.463 87.731,149.986 89.636,151.891 97.51,151.891 v1(98.958,153.34) ; 87.731,215.519 87.731,217.042 89.636,218.947 97.51,218.947 v1(98.958,220.396) ; 88.509,56.845 cw(c88.509,56.073) 89.055,56.619 ; 88.509,123.901 cw(c88.509,123.129) 89.055,123.675 ; 88.509,190.957 cw(c88.509,190.185) 89.055,190.731 ; 88.509,258.013 cw(c88.509,257.241) 89.055,257.787 ; 88.59,3.993 ccw(c88.265,3.668) 88.265,4.127 cw(c88.265,2.932) v1@89.111,3.777 ; 88.59,71.049 ccw(c88.265,70.724) 88.265,71.183 cw(c88.265,69.988) v1@89.111,70.833 ; 88.59,138.105 ccw(c88.265,137.78) 88.265,138.239 cw(c88.265,137.044) v1@89.111,137.889 ; 88.59,205.161 ccw(c88.265,204.836) 88.265,205.296 cw(c88.265,204.1) v1@89.111,204.945 ; 88.601,3.982 ccw(c89.23,4.61) v1@89.23,3.721 ; 88.601,71.038 ccw(c89.23,71.666) v1@89.23,70.777 ; 88.601,138.094 ccw(c89.23,138.722) v1@89.23,137.833 ; 88.601,205.15 ccw(c89.23,205.778) v1@89.23,204.889 ; 89.239,14.334 cw(c88.156,13.252) 89.687,13.252 ; 89.239,81.39 cw(c88.156,80.308) 89.687,80.308 ; 89.239,148.446 cw(c88.156,147.364) 89.687,147.364 ; 89.239,215.502 cw(c88.156,214.42) 89.687,214.42 ; 89.253,56.619 cw(c89.799,56.073) 89.799,56.845 ; 89.253,123.675 cw(c89.799,123.129) 89.799,123.901 ; 89.253,190.731 cw(c89.799,190.185) 89.799,190.957 ; 89.253,257.787 cw(c89.799,257.241) 89.799,258.013 ; 89.382,14.478 89.687,14.173 89.687,11.049 ; 89.382,81.534 89.687,81.229 89.687,78.105 ; 89.382,148.59 89.687,148.285 89.687,145.161 ; 89.382,215.646 89.687,215.341 89.687,212.217 ; 89.512,12.601 cw(c89.09,12.179) 89.687,12.179 ; 89.512,12.799 ccw(c89.09,13.221) 89.687,13.221 ; 89.512,79.657 cw(c89.09,79.235) 89.687,79.235 ; 89.512,79.855 ccw(c89.09,80.277) 89.687,80.277 ; 89.512,146.713 cw(c89.09,146.291) 89.687,146.291 ; 89.512,146.911 ccw(c89.09,147.333) 89.687,147.333 ; 89.512,213.769 cw(c89.09,213.347) 89.687,213.347 ; 89.512,213.967 ccw(c89.09,214.389) 89.687,214.389 ; 89.662,33.401 89.865,33.198 91.161,33.198 91.796,33.833 95.758,33.833 95.809,33.782 97.282,33.782 97.511,33.553 98.349,33.553 v1(98.349,33.655) ; 89.662,35.167 89.662,35.421 ; 89.662,100.457 89.865,100.254 91.161,100.254 91.796,100.889 95.758,100.889 95.809,100.838 97.282,100.838 97.511,100.609 98.349,100.609 v1(98.349,100.711) ; 89.662,102.223 89.662,102.477 ; 89.662,167.513 89.865,167.31 91.161,167.31 91.796,167.945 95.758,167.945 95.809,167.894 97.282,167.894 97.511,167.665 98.349,167.665 v1(98.349,167.767) ; 89.662,169.279 89.662,169.533 ; 89.662,234.569 89.865,234.366 91.161,234.366 91.796,235.001 95.758,235.001 95.809,234.95 97.282,234.95 97.511,234.721 98.349,234.721 v1(98.349,234.823) ; 89.662,236.335 89.662,236.589 ; 89.761,33.449 ccw(c90.367,34.055) 90.367,33.198 ; 89.761,100.505 ccw(c90.367,101.111) 90.367,100.254 ; 89.761,167.561 ccw(c90.367,168.167) 90.367,167.31 ; 89.761,234.617 ccw(c90.367,235.223) 90.367,234.366 ; 89.968,56.845 cw(c89.968,56.161) 90.452,56.645 ; 89.968,123.901 cw(c89.968,123.217) 90.452,123.701 ; 89.968,190.957 cw(c89.968,190.273) 90.452,190.757 ; 89.968,258.013 cw(c89.968,257.329) 90.452,257.813 ; 90.322,47.879 90.36,47.917 91.973,47.917 ; 90.322,114.935 90.36,114.973 91.973,114.973 ; 90.322,181.991 90.36,182.029 91.973,182.029 ; 90.322,249.047 90.36,249.085 91.973,249.085 ; 90.335,56.654 90.145,56.845 ; 90.335,123.71 90.145,123.901 ; 90.335,190.766 90.145,190.957 ; 90.335,257.822 90.145,258.013 ; 90.428,56.677 ccw(c90.145,56.522) 90.145,56.845 ; 90.428,123.733 ccw(c90.145,123.578) 90.145,123.901 ; 90.428,190.789 ccw(c90.145,190.634) 90.145,190.957 ; 90.428,257.845 ccw(c90.145,257.69) 90.145,258.013 ; 91.144,14.334 cw(c90.797,13.987) 91.287,13.987 cw(c91.778,13.987) 91.431,14.334 ; 91.144,81.39 cw(c90.797,81.043) 91.287,81.043 cw(c91.778,81.043) 91.431,81.39 ; 91.144,148.446 cw(c90.797,148.099) 91.287,148.099 cw(c91.778,148.099) 91.431,148.446 ; 91.144,215.502 cw(c90.797,215.155) 91.287,215.155 cw(c91.778,215.155) 91.431,215.502 ; 91.163,12.799 ccw(c90.863,13.099) 91.287,13.099 ; 91.163,79.855 ccw(c90.863,80.155) 91.287,80.155 ; 91.163,146.911 ccw(c90.863,147.211) 91.287,147.211 ; 91.163,213.967 ccw(c90.863,214.267) 91.287,214.267 ; v1(91.211,45.263) 91.364,45.263 91.389,45.288 92.024,45.288 ; v1(91.211,112.319) 91.364,112.319 91.389,112.344 92.024,112.344 ; v1(91.211,179.375) 91.364,179.375 91.389,179.4 92.024,179.4 ; v1(91.211,246.431) 91.364,246.431 91.389,246.456 92.024,246.456 ; 91.262,12.7 91.287,12.725 91.287,14.478 91.363,14.478 92.176,15.291 92.862,15.291 94.483,15.291 94.554,15.22 95.219,15.22 96.164,14.275 ; 91.262,79.756 91.287,79.781 91.287,81.534 91.363,81.534 92.176,82.347 92.862,82.347 94.483,82.347 94.554,82.276 95.219,82.276 96.164,81.331 ; 91.262,146.812 91.287,146.837 91.287,148.59 91.363,148.59 92.176,149.403 92.862,149.403 94.483,149.403 94.554,149.332 95.219,149.332 96.164,148.387 ; 91.262,213.868 91.287,213.893 91.287,215.646 91.363,215.646 92.176,216.459 92.862,216.459 94.483,216.459 94.554,216.388 95.219,216.388 96.164,215.443 ; 91.287,14.681 ccw(c91.287,15.356) 91.764,14.879